# Altium PCB DRS4-PCB.PcbDoc (part 7 of 15) (continued)
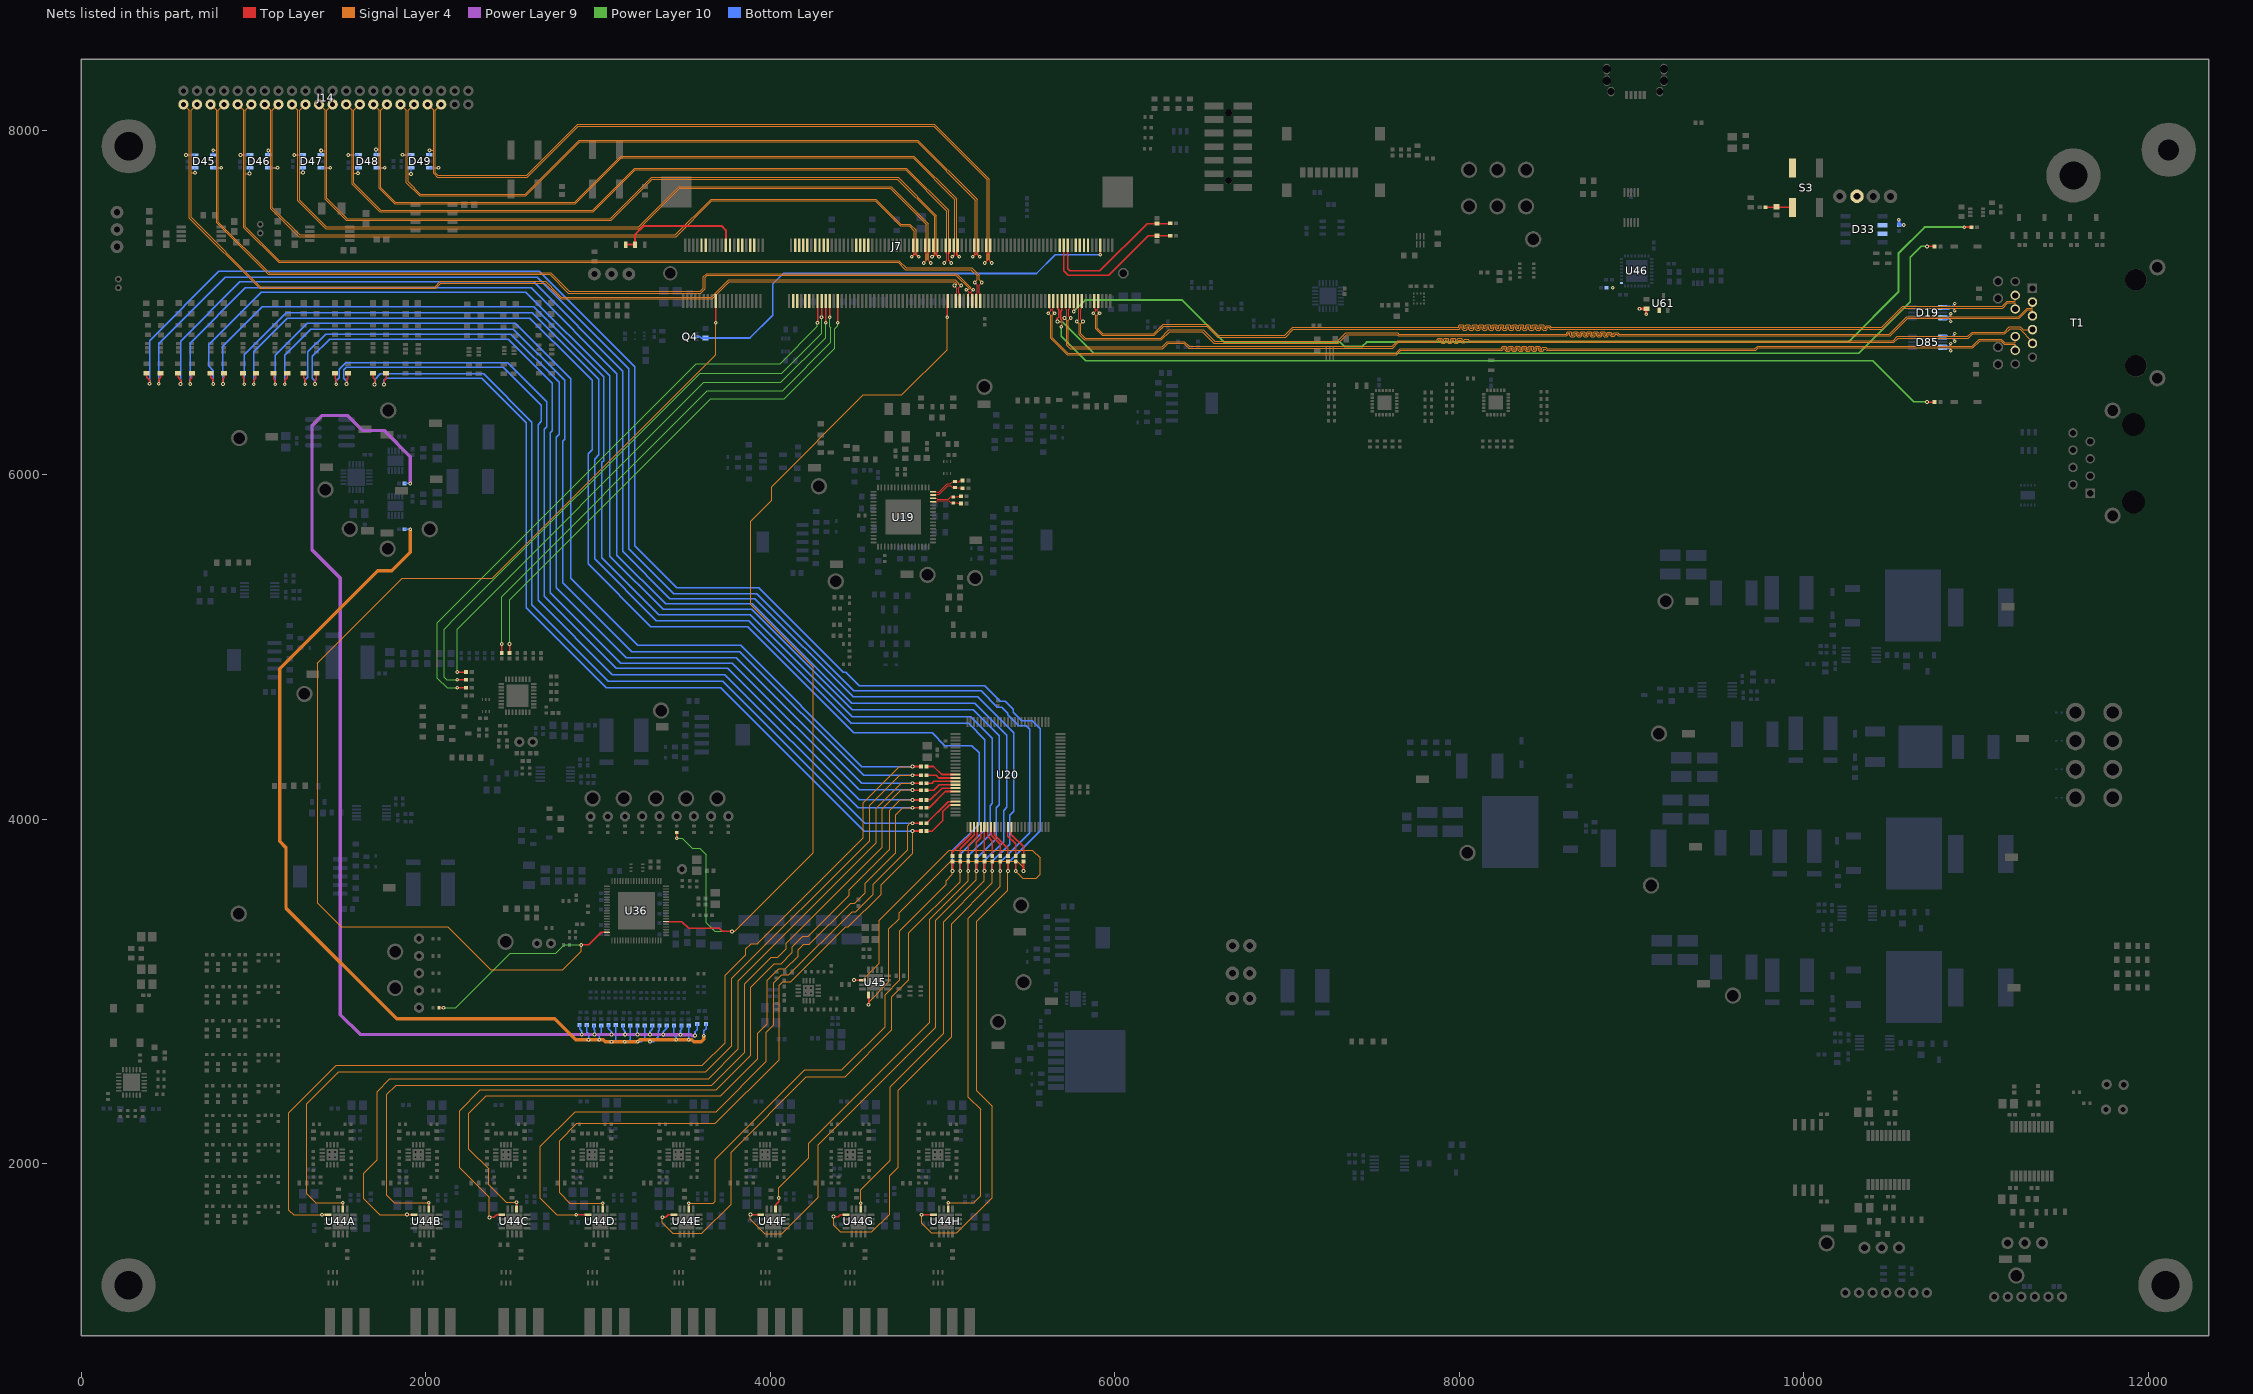
[diagram p17: the nets of this part, all layers, seen from the top]
## Nets (pads, with @x,y where several pads share a name; then routed paths per layer and width w, separated by ;. In a path a pad name is that pad's centre, name@x,y a point inside that pad or via, vN(x,y) a via of type N, cw(c..) or ccw(c..) an arc to the next point about the centre after c; other vN are vias at no path point) (continued)
  Bottom Layer w6.73: D47.4@1284.86,7781.73 1286.08,7780.52 v1(1286.08,7754.4)
GPIO4_P: D47.6 J7.108 J14.17 | length 4883.7
  Top Layer w5: v1(4890.76,7229.53) 4906.08,7244.85 4906.08,7282.29 4899.27,7289.1 J7.108@4899.25,7331.12
  Signal Layer 4 w3.66: J14.17@1222.48,8149.61 1256.85,8115.24 1256.85,7589.6 1418.39,7428.06 1422.53,7428.06 3239.1,7428.06 3473.47,7662.43 4696.67,7662.43 4905.94,7453.17 4905.94,7244.7 v1(4890.76,7229.53) ; v1@1236.26,7855.98 1256.71,7855.98
  Bottom Layer w6.73: v1(1236.26,7856.54) D47.6@1284.86,7856.54
GPIO5_N: D47.3 J7.114 J14.23 | length 4732.9
  Top Layer w5: J7.114@4970.11,7331.12 4970.13,7289.1 4963.32,7282.29 4963.32,7275.29 4972.85,7265.75 v1(4978.35,7265.75)
  Signal Layer 4 w3.66: 1424.47,7781.52 v1@1443.28,7781.52 ; J14.23@1458.7,8149.61 1424.33,8115.24 1424.33,7604.21 1542.4,7486.14 3070.59,7486.14 3309.93,7725.48 4741.95,7725.48 4963.17,7504.26 4963.17,7280.93 v1(4978.35,7265.75)
  Bottom Layer w6.73: D47.3@1391.16,7781.72 v1(1444.66,7781.72)
GPIO5_P: D47.1 J7.112 J14.21 | length 4705.1
  Top Layer w5: v1(4937.99,7265.75) 4943.78,7265.75 4953.32,7275.29 4953.32,7282.29 4946.51,7289.1 J7.112@4946.49,7331.12
  Signal Layer 4 w3.66: J14.21@1379.96,8149.61 1414.33,8115.24 1414.33,7600.07 1538.26,7476.14 3074.73,7476.14 3314.07,7715.48 4737.81,7715.48 4953.17,7500.11 4953.17,7280.93 v1(4937.99,7265.75) ; v1@1395.37,7881.62 1414.19,7881.62
  Bottom Layer w6.73: D47.1@1391.16,7856.52 1391.72,7857.09 v1(1391.72,7881.76)
GPIO6_N: D48.4 J7.120 J14.27 | length 4671.9
  Top Layer w5: J7.120@5040.97,7331.12 5040.99,7289.1 5034.18,7282.29 5034.18,7244.56 v1(5049.21,7229.53)
  Signal Layer 4 w3.66: 1581.95,7749.59 v1@1606.48,7749.59 ; J14.27@1616.18,8149.61 1581.81,8115.24 1581.81,7690.53 1737.1,7535.24 2967.63,7535.24 3212.19,7779.79 4788.97,7779.79 5034.04,7534.72 5034.04,7244.7 v1(5049.21,7229.53)
  Bottom Layer w6.73: v1(1606.48,7749.79) 1606.48,7779.61 D48.4@1608.4,7781.54
GPIO6_P: D48.6 J7.118 J14.25 | length 4693
  Top Layer w5: v1(5008.86,7229.53) 5024.18,7244.85 5024.18,7282.29 5017.37,7289.1 J7.118@5017.35,7331.12
  Signal Layer 4 w3.66: J14.25@1537.44,8149.61 1571.81,8115.24 1571.81,7686.39 1730.03,7528.17 1732.96,7525.24 2971.78,7525.24 3216.33,7769.79 4784.82,7769.79 5024.04,7530.58 5024.04,7244.7 v1(5008.86,7229.53) ; v1@1552.85,7857.24 1571.67,7857.24
  Bottom Layer w6.73: v1(1549.13,7856.34) D48.6@1608.4,7856.34
GPIO7_N: D48.3 J7.124 J14.31 | length 4574.2
  Top Layer w5: J7.124@5088.21,7331.12 5088.23,7289.1 5081.42,7282.29 5081.42,7274.17 5089.83,7265.75 v1(5096.65,7265.75)
  Signal Layer 4 w3.66: 1739.43,7781.65 v1@1760.43,7781.65 ; J14.31@1773.66,8149.61 1739.29,8115.24 1739.29,7927.62 1739.29,7667.11 1823.38,7583.02 2863.78,7583.02 3130.39,7849.63 4833.18,7849.63 5081.48,7601.34 5081.48,7280.93 v1(5096.65,7265.75)
  Bottom Layer w6.73: D48.3@1714.7,7781.54 1714.78,7781.46 1760.35,7781.46 v1(1760.43,7781.38)
GPIO7_P: D48.1 J7.122 J14.29 | length 4559.8
  Top Layer w5: v1(5056.3,7265.75) 5063,7265.75 5071.42,7274.17 5071.42,7282.29 5064.61,7289.1 J7.122@5064.59,7331.12
  Signal Layer 4 w3.66: J14.29@1694.92,8149.61 1729.29,8115.24 1729.29,7923.48 1729.29,7662.97 1816.31,7575.95 1819.24,7573.02 2867.92,7573.02 3134.53,7839.63 4829.04,7839.63 5071.48,7597.19 5071.48,7280.93 v1(5056.3,7265.75) ; v1@1710.33,7888.21 1729.15,7888.21
  Bottom Layer w6.73: v1(1710.54,7888.35) 1710.54,7860.5 D48.1@1714.7,7856.34
GPIO8_N: D49.4 J7.134 J14.35 | length 4540
  Top Layer w5: J7.134@5206.31,7331.12 5206.33,7289.1 5199.52,7282.29 5199.52,7276.6 5210.37,7265.75 v1(5214.75,7265.75)
  Signal Layer 4 w3.66: 1896.91,7745.73 v1@1915.72,7745.73 ; J14.35@1931.14,8149.61 1896.77,8115.24 1896.77,7913.67 1896.77,7700.07 1968.55,7628.3 2365.45,7628.3 2576.35,7628.3 2890.52,7942.47 4855.69,7942.47 5199.58,7598.58 5199.58,7280.93 v1(5214.75,7265.75)
  Bottom Layer w6.73: D49.4@1913.23,7781.54 1913.69,7781.07 v1(1913.69,7745.59)
GPIO8_P: D49.6 J7.132 J14.33 | length 4556
  Top Layer w5: v1(5174.4,7265.75) 5178.66,7265.75 5189.52,7276.6 5189.52,7282.29 5182.71,7289.1 J7.132@5182.69,7331.12
  Signal Layer 4 w3.66: J14.33@1852.4,8149.61 1886.77,8115.24 1886.77,7909.52 1886.77,7695.93 1961.48,7621.22 1964.4,7618.3 2361.31,7618.3 2580.49,7618.3 2894.66,7932.47 4851.55,7932.47 5189.58,7594.44 5189.58,7280.93 v1(5174.4,7265.75) ; v1@1864.63,7857.1 1886.63,7857.1
  Bottom Layer w6.73: v1(1864.63,7857.38) 1865.15,7856.86 1912.71,7856.86 D49.6@1913.23,7856.34
GPIO9_N: D49.3 J7.140 J14.39 | length 4563.3
  Top Layer w5: J7.140@5277.17,7331.12 5277.19,7289.1 5270.38,7282.29 5270.38,7244.59 v1(5285.43,7229.53)
  Signal Layer 4 w3.66: 2054.39,7782.7 v1@2073.2,7782.7 ; J14.39@2088.62,8149.61 2054.25,8115.24 2054.25,7940.17 2054.25,7753.6 2070.09,7737.75 2585.09,7737.75 2881.56,8034.22 4951.51,8034.22 4954.44,8031.29 5270.26,7715.48 5270.26,7244.7 v1(5285.43,7229.53)
  Bottom Layer w6.73: D49.3@2019.53,7781.54 2020.04,7782.05 2072.52,7782.05 v1(2073.03,7782.56)
GPIO9_P: D49.1 J7.138 J14.37 | length 4541.6
  Top Layer w5: v1(5245.08,7229.53) 5260.38,7244.82 5260.38,7282.29 5253.57,7289.1 J7.138@5253.55,7331.12
  Signal Layer 4 w3.66: J14.37@2009.88,8149.61 2044.25,8115.24 2044.25,7936.03 2044.25,7749.45 2065.95,7727.75 2589.23,7727.75 2885.7,8024.22 4947.37,8024.22 5260.26,7711.33 5260.26,7244.7 v1(5245.08,7229.53) ; v1@2021.13,7883.6 2044.11,7883.6
  Bottom Layer w6.73: D49.1@2019.53,7856.34 2021.13,7857.94 v1(2021.13,7883.73)
HMC849:EN0: R79.2 R281.2 U44A.5 | length 11432.1
  Top Layer w7.87: R281.2@1115.32,6589.45 1115.32,6556.8 1125.32,6546.8 v1(1125.32,6525.66) ; v1(1396.89,1703.63) U44A.5@1432.27,1703.63
  Top Layer w10: v1(4825.28,4305.57) R79.2@4875.38,4305.57
  Signal Layer 4 w6.12: v1(1396.89,1703.63) 1232.02,1703.63 1204.58,1731.06 1204.58,2296.84 1478.44,2570.7 3605.77,2570.7 3737.98,2702.9 3737.98,3093.95 3857.97,3213.94 3857.97,3247.09 3887.51,3276.64 3923.8,3276.64 4539.5,3892.34 4539.5,4096.13 4748.95,4305.57 v1(4825.28,4305.57)
  Bottom Layer w7.87: v1(1125.32,6525.66) 1125.32,6693.97 1310.35,6879 2517.6,6879 2840,6556.6 2840,5399.52 3230.56,5008.96 3828.31,5008.96 4531.7,4305.57 v1(4825.28,4305.57)
HMC849:EN1: R82.2 R282.2 U44B.5 | length 10846.8
  Top Layer w7.87: R282.2@1289.66,6589.45 1289.66,6562.29 1300.29,6551.66 v1(1300.32,6525.66) v1(1300.32,6525.66) ; v1(1889.98,1704.82) 1896.06,1704.82 v1@1897.56,1703.32 ; v1@1900.64,1703.32 1901.18,1703.86 U44B.5@1931.01,1703.86
  Top Layer w10: v1@4823.04,4209.28 R82.2@4873.15,4209.28
  Signal Layer 4 w6.12: v1(1889.98,1704.82) 1732.96,1704.82 1639.97,1797.81 1639.97,1945.15 1716.47,2021.65 1716.47,2418.92 1791.03,2493.48 3641.62,2493.48 3814.2,2666.06 3814.2,3061.99 4614.36,3862.14 4614.36,4063.59 4760.05,4209.29 v1(4825.28,4209.29)
  Bottom Layer w7.87: v1(1300.32,6525.66) 1300.32,6551.7 1314.8,6566.18 1314.8,6712.46 1418.57,6816.22 2493.92,6816.22 2773.89,6536.25 2773.89,6233.84 2757.75,6217.7 2757.75,5342.73 3162.72,4937.76 3802.81,4937.76 4531.28,4209.29 v1(4825.28,4209.29)
HMC849:EN2: R84.2 R283.2 U44C.5 | length 9833.6
  Top Layer w7.87: R283.2@1472.68,6589.45 1472.68,6559.56 1479.82,6552.41 v1(1479.82,6525.66) ; v1@2372.35,1688.05 2394.79,1688.05 2410.6,1703.86 U44C.5@2440.46,1703.86
  Top Layer w10: v1@4823.04,4112.06 R84.2@4873.15,4112.06
  Signal Layer 4 w6.12: v1(2369.26,1688.02) 2369.26,1805.08 2196.81,1977.53 2196.81,2307.93 2316.92,2428.04 3686.33,2428.04 3886.78,2628.49 3886.78,3025.72 4022.64,3161.57 4061.9,3161.57 4126.95,3226.62 4126.95,3260.14 4186.38,3319.57 4219.59,3319.57 4457.53,3557.51 4457.53,3590.72 4693.3,3826.48 4693.3,4050.97 4754.37,4112.05 v1(4825.28,4112.05)
  Bottom Layer w7.87: v1(1479.82,6525.66) 1479.82,6545.12 1496.39,6561.68 1496.39,6611.14 1535.25,6650 2474.16,6650 2701.28,6422.88 2701.28,6279.69 2686.26,6264.67 2686.26,5292.99 3103.85,4875.4 3753.71,4875.4 4517.06,4112.05 v1(4825.28,4112.05)
HMC849:EN3: R86.2 R284.2 U44D.5 | length 8906.4
  Top Layer w7.87: R284.2@1693.67,6589.45 1693.67,6562.51 1702.81,6553.37 1702.81,6524.06 v1(1701.78,6523.03) ; v1(2872.55,1704.35) 2948.91,1704.35 U44D.5@2949.39,1703.86
  Top Layer w10: v1@4823.04,3976.2 R86.2@4873.15,3976.2
  Signal Layer 4 w6.12: v1(2872.55,1704.35) 2760.84,1704.35 2665.29,1799.9 2665.29,2100.23 2867.82,2302.77 3684.25,2302.77 3977.36,2595.87 3977.36,2762.32 4020.34,2805.3 4020.34,3050.31 4065.84,3095.82 4107.97,3095.82 4476.17,3464.02 4495.56,3464.02 4596.25,3564.71 4596.25,3621.58 4796.13,3821.46 4796.13,3962.77 4809.58,3976.22 v1(4825.28,3976.22)
  Bottom Layer w7.87: v1(1701.78,6523.03) 1701.78,6552.64 1734.14,6585 2335.09,6585 2615.74,6304.35 2615.74,5245.69 3060,4801.43 3722.1,4801.43 4547.3,3976.22 v1(4825.28,3976.22)
HMC849:EN4: R88.2 R297.2 U44E.5 | length 10402.7
  Top Layer w7.87: R297.2@938.58,6589.45 938.58,6562.64 945.42,6555.8 945.42,6525.75 v1(945.32,6525.66) ; v1(3373.09,1688.85) 3391.33,1688.85 3406.34,1703.86 U44E.5@3440.46,1703.86
  Top Layer w9.84: v1(5102.32,3698.9) R88.2@5102.32,3753.78
  Signal Layer 4 w6.12: v1(3373.09,1688.85) 3373.09,1656.51 3433.62,1595.98 3602.37,1595.98 3771.3,1764.91 3771.3,2067.89 4208.95,2505.54 4434.44,2505.54 4705.25,2776.35 4705.25,2969.3 4803.63,3067.68 4803.63,3339.62 5102.32,3638.31 v1(5102.32,3698.9)
  Bottom Layer w7.87: v1(945.32,6525.66) 945.32,6695.57 1189.75,6940 2617.6,6940 3004,6553.6 3004,6115.09 2979.16,6090.25 2979.16,5511.39 3338.55,5152 3873,5152 4469.33,4555.67 5150.86,4555.67 5244.73,4461.8 5244.73,3938.28 5102.32,3795.87 v1(5102.32,3698.9)
HMC849:EN5: R90.2 R298.2 U44F.5 | length 10479.2
  Top Layer w7.87: R298.2@750.52,6589.45 750.52,6565.55 766.32,6549.76 v1(766.32,6526.04) ; v1@3884.34,1703.86 U44F.5@3944.16,1703.86
  Top Layer w9.84: v1(5196.1,3698.9) R90.2@5196.1,3753.78
  Signal Layer 4 w6.12: v1(3884.34,1704.66) 3884.34,1676.28 3967.94,1592.68 4067.09,1592.68 4279.17,1804.76 4279.17,2108.79 4961.3,2790.92 4961.3,3414.53 5196.1,3649.33 v1(5196.1,3698.9)
  Bottom Layer w7.87: v1(766.32,6526.04) 766.32,6603.67 738.76,6631.23 738.76,6753.31 1045.45,7060 2581.06,7060 3067.52,6573.54 3067.52,5527.91 3377.43,5218 3891.93,5218 4474.28,4635.66 5177.34,4635.66 5328.1,4484.89 5328.1,4082.48 5310.87,4065.24 5310.87,3885.07 5196.1,3770.3 v1(5196.1,3698.9)
HMC849:EN6: R92.2 R299.2 U44G.5 | length 10653.5
  Top Layer w7.87: R299.2@560.96,6589.45 560.96,6564.58 576.03,6549.5 v1(576.03,6526.04) ; v1(4366.63,1693.23) 4394.73,1693.23 4405.36,1703.86 U44G.5@4438.68,1703.86
  Top Layer w9.84: v1(5288.66,3698.9) R92.2@5288.66,3753.78
  Signal Layer 4 w6.12: v1(4366.63,1693.23) 4366.63,1642.31 4404.26,1604.68 4589.65,1604.68 4692.05,1707.08 4692.05,1929.61 4741.33,1978.89 4741.33,2426.21 5051.69,2736.57 5051.69,3393.37 5288.66,3630.34 v1(5288.66,3698.9)
  Bottom Layer w7.87: v1(576.03,6526.04) 576.03,6775.08 919.95,7119 2625.27,7119 3142.66,6601.61 3142.66,5554.87 3416.6,5280.93 3909.99,5280.93 4480.61,4710.31 5203.2,4710.31 5412.84,4500.66 5412.84,4046.63 5388.53,4022.31 5388.53,3854.76 5288.66,3754.89 v1(5288.66,3698.9)
HMC849:EN7: R94.2 R300.2 U44H.5 | length 10980.7
  Top Layer w7.87: R300.2@378.64,6589.45 378.64,6564.89 395.54,6547.99 v1(395.54,6527.3) ; v1(4877.52,1704.13) 4944.83,1704.13 U44H.5@4945.38,1704.68
  Top Layer w9.84: v1(5379.21,3698.9) R94.2@5379.21,3753.78
  Top Layer w10: U44H.5@4945.38,1704.68 U44H.5@4946.2,1703.86
  Signal Layer 4 w6.12: v1(4877.52,1704.13) 4877.52,1654.08 4932.51,1599.09 5083.2,1599.09 5287.53,1803.43 5287.53,2333.05 5198.11,2422.47 5198.11,3406.97 5379.21,3588.07 v1(5379.21,3698.9)
  Bottom Layer w7.87: v1(395.54,6527.3) 395.54,6777.31 798.24,7180 2659.34,7180 3212.89,6626.44 3212.89,5586.43 3457.02,5342.31 3933.69,5342.31 4423.92,4852.08 4438.58,4852.08 4515.66,4775 5243.7,4775 5333.49,4685.22 5364.28,4685.22 5410.91,4638.59 5410.91,4620.77 5460.13,4571.55 5521.62,4571.55 5567.23,4525.95 5567.23,3933.23 5379.21,3745.22 v1(5379.21,3698.9)
HMC849:EN8: R96.2 U45.5 | length 1598.4
  Top Layer w7.87: v1@4570.04,2922.67 U45.5@4570.04,2979.82
  Top Layer w9.84: v1(5469.8,3698.9) R96.2@5469.8,3753.78
  Signal Layer 4 w6.12: v1(4569.79,2922.67) 4569.79,2938.41 4687.98,3056.61 4687.98,3362.61 4748.54,3423.17 4748.54,3455.74 5047.7,3754.91 5432.29,3754.91 5469.8,3717.4 v1(5469.8,3698.9)
HMC849:VCTL0: R81.2 R285.1 U44A.2 | length 11212.4
  Top Layer w7.87: v1(1180.6,6525.66) 1180.6,6549.23 1194.95,6563.58 R285.1@1194.95,6589.4 ; U44A.2@1517.25,1738.38 v1(1517.25,1773.62)
  Top Layer w10: v1@4823.04,4254.56 R81.2@4873.15,4254.56
  Signal Layer 4 w6.12: v1(1517.25,1773.62) 1361.66,1773.62 1308.62,1826.66 1308.62,2346.83 1494.27,2532.48 3624,2532.48 3776.99,2685.46 3776.99,3075.29 4577.67,3875.97 4577.67,4082.4 4749.83,4254.56 v1(4825.28,4254.56)
  Bottom Layer w7.87: v1(1180.6,6525.66) 1180.6,6693.12 1332.48,6845 2507.61,6845 2805.72,6546.88 2805.72,6206.38 2794.89,6195.54 2794.89,5373.93 3196.01,4972.81 3823.22,4972.81 4541.47,4254.56 v1(4825.28,4254.56)
HMC849:VCTL1: R83.2 R286.1 U44B.2 | length 10672.1
  Top Layer w7.87: v1(1355.6,6526.06) 1357.2,6527.66 1357.2,6547.86 1364.46,6555.11 R286.1@1364.46,6589.45 ; U44B.2@2016.73,1738.42 v1(2016.73,1773.64)
  Top Layer w10: v1@4823.04,4168.62 R83.2@4873.15,4168.62
  Signal Layer 4 w6.12: v1(2016.73,1773.64) 1816.73,1773.64 1772.76,1817.61 1772.76,2401.97 1827.18,2456.39 3658.99,2456.39 3850.77,2648.17 3850.77,3045.11 4005.44,3199.78 4043.81,3199.78 4091.55,3247.52 4091.55,3279.43 4649.7,3837.58 4649.7,4059.3 4760.26,4169.86 v1(4825.28,4169.86)
  Bottom Layer w7.87: v1(1355.6,6526.06) 1355.6,6544.03 1340.15,6559.48 1340.15,6686.73 1441.12,6787.69 2477.16,6787.69 2734.87,6529.97 2734.87,6254.98 2722.48,6242.59 2722.48,5315.6 3132.41,4905.67 3779.88,4905.67 4515.69,4169.86 v1(4825.28,4169.86)
HMC849:VCTL2: R85.2 R287.1 U44C.2 | length 9697.4
  Top Layer w7.87: v1(1539.73,6526.06) 1541.68,6528.01 1541.68,6552.77 1547.48,6558.57 R287.1@1547.48,6589.45 ; U44C.2@2526.21,1738.59 v1(2526.21,1776.41)
  Top Layer w10: U44C.2@2526.21,1738.59 U44C.2@2526.39,1738.4 ; v1@4823.04,4066.77 R85.2@4873.15,4066.77
  Signal Layer 4 w6.12: v1(2526.21,1776.41) 2465.75,1776.41 2364.36,1877.79 2364.36,1970.11 2249.23,2085.24 2249.23,2292.78 2351.69,2395.24 3712.94,2395.24 3928.03,2610.33 3928.03,2758.56 3983.05,2813.58 3983.05,3065.17 4049.19,3131.31 4087.57,3131.31 4160.31,3204.05 4160.31,3242.43 4192.5,3274.63 4226.64,3274.63 4465.1,3513.09 4491.08,3513.09 4551.22,3573.23 4551.22,3627.09 4728.4,3804.28 4728.4,4027.12 4768.06,4066.77 v1(4825.28,4066.77)
  Bottom Layer w7.87: v1(1539.73,6526.06) 1539.73,6542.46 1523.32,6558.87 1523.32,6608.51 1538.62,6623.81 2449.48,6623.81 2670,6403.29 2670,6309.43 2651.2,6290.62 2651.2,5271.18 3082.62,4839.76 3736.23,4839.76 4509.21,4066.77 v1(4825.28,4066.77)
HMC849:VCTL3: R87.2 R288.1 U44D.2 | length 8701
  Top Layer w7.87: v1(1757.06,6523.03) 1757.06,6547.45 1768.47,6558.86 R288.1@1768.47,6589.45 ; v1(3026.14,1771.14) 3026.14,1768.08 3026.34,1767.87 U44D.2@3026.34,1738.4
  Top Layer w10: v1@4823.04,3930.92 R87.2@4873.15,3930.92
  Signal Layer 4 w6.12: v1(3026.14,1771.14) 2835.82,1771.14 2776.39,1830.56 2776.39,2133.17 2876.93,2233.72 3680.79,2233.72 4051.31,2604.24 4051.31,3035.18 4071.87,3055.74 4119.37,3055.74 4437.83,3374.2 4451.28,3374.2 4642.65,3565.57 4642.65,3619.13 4825.28,3801.76 v1(4825.28,3930.91)
  Bottom Layer w7.87: v1(1757.06,6523.03) 1756.68,6523.4 1756.68,6547.7 1769.36,6560.37 2324.15,6560.37 2582.06,6302.47 2582.06,5228.44 3048.24,4762.25 3712.11,4762.25 4543.46,3930.91 v1(4825.28,3930.91)
HMC849:VCTL4: R89.2 R301.1 U44E.2 | length 9861.6
  Top Layer w7.87: v1(1000.6,6525.66) 1000.6,6547.02 1013.39,6559.81 R301.1@1013.39,6589.45 ; U44E.2@3526.18,1738.4 v1(3526.18,1770.32)
  Top Layer w9.84: v1(5057.05,3698.9) R89.2@5057.05,3753.78
  Signal Layer 4 w6.12: v1@3525,1770.32 v1(3526.18,1770.32) 3667.68,1770.32 3680.03,1782.67 3680.03,2026.08 4199.09,2545.14 4415.66,2545.14 4665.83,2795.3 4665.83,2980.98 4751.77,3066.92 4751.77,3353.19 5020.91,3622.33 5020.91,3643.24 5057.05,3679.38 v1(5057.05,3698.9)
  Bottom Layer w7.87: v1(1000.6,6525.66) 1000.6,6713.25 1196.35,6909 2603.6,6909 2881.54,6631.06 2965,6547.6 2965,6144.05 2942.16,6121.21 2942.16,5481.75 3306.66,5117.25 3867.74,5117.25 4483.07,4501.92 4938.59,4501.93 5013.4,4427.12 5170.18,4427.12 5211.26,4386.03 5211.26,3970.19 5057.05,3815.97 v1(5057.05,3698.9)
HMC849:VCTL5: R91.2 R302.1 U44F.2 | length 9822.5
  Top Layer w7.87: v1(821.59,6526.04) 821.59,6556.98 828.82,6564.21 R302.1@828.82,6589.45 ; U44F.2@4029.88,1738.4 4029.88,1760.81 4048.6,1779.53 v1(4048.6,1801.45)
  Top Layer w9.84: v1(5148.03,3698.9) R91.2@5148.03,3753.78
  Signal Layer 4 w6.12: v1(4048.6,1801.45) 4048.6,1861.07 4221.8,2034.27 4221.8,2120.15 4924.13,2822.48 4924.13,3417.8 5148.03,3641.69 v1(5148.03,3698.9)
  Bottom Layer w7.87: v1(821.59,6526.04) 821.59,6745.61 1049.98,6974 2625.8,6974 2974.17,6625.63 3032,6567.8 3032,6081.28 3022.09,6071.37 3022.09,5516.62 3351.72,5187 3883,5187 4474.1,4595.9 5162.81,4595.9 5288.62,4470.09 5288.62,4092.74 5274.95,4079.07 5274.95,3913.7 5147.91,3786.67 v1@5147.91,3698.9
HMC849:VCTL6: R93.2 R303.1 U44G.2 | length 10026.8
  Top Layer w7.87: v1(631.31,6526.04) 631.31,6552.88 641.71,6563.28 R303.1@641.71,6589.45 ; U44G.2@4524.41,1738.4 v1(4524.41,1770.32)
  Top Layer w9.84: v1(5242.95,3698.9) R93.2@5242.95,3753.78
  Signal Layer 4 w6.12: v1(4524.41,1770.32) 4524.41,1848.97 4695.62,2020.18 4695.62,2447.41 5006.89,2758.68 5006.89,3405.32 5242.95,3641.38 v1(5242.95,3698.9)
  Bottom Layer w7.87: v1(631.31,6526.04) 631.31,6762.85 952.45,7084 2611.74,7084 3109.12,6586.62 3109.12,5533.77 3392.67,5250.22 3894.78,5250.22 4473.25,4671.75 5187.79,4671.75 5373.48,4486.06 5373.48,4068.05 5354.57,4049.14 5354.57,3870.45 5242.95,3758.82 v1(5242.95,3698.9)
HMC849:VCTL7: R95.2 R304.1 U44H.2 | length 10393.4
  Top Layer w7.87: v1(448.83,6528.55) 448.83,6554.74 459.86,6565.77 R304.1@459.86,6589.45 ; U44H.2@5031.93,1736.28 v1@5031.93,1768.19
  Top Layer w9.84: v1(5333.94,3698.9) R95.2@5333.94,3753.78
  Signal Layer 4 w6.12: v1@5032.58,1774.71 5181.01,1774.71 5220.23,1813.93 5220.23,2315.04 5149.17,2386.09 5149.17,3424.76 5333.94,3609.52 v1(5333.94,3698.9)
  Bottom Layer w7.87: v1(448.83,6528.55) 448.83,6759.04 834.8,7145 2646.81,7145 3176.29,6615.52 3176.29,5571.28 3438.16,5309.41 3920.59,5309.41 4484.88,4745.12 5222.86,4745.12 5317.55,4650.44 5344.03,4650.44 5379.38,4615.09 5379.38,4606.14 5442.48,4543.04 5486.58,4543.04 5506.07,4523.55 5506.07,3922.66 5333.94,3750.53 v1(5333.94,3698.9)
  other v1: 5032.58,1772.58
HMC849:VCTL8: R97.2 U45.2 | length 1925.8
  Top Layer w7.87: v1(4485.57,3065.94) 4485.97,3065.54 U45.2@4534.65,3065.54 U45.2@4535.5,3065.54
  Top Layer w9.84: v1(5424.49,3698.9) R97.2@5424.49,3753.78
  Signal Layer 4 w6.12: v1(4485.57,3065.94) 4531.24,3065.94 4532.18,3065 4631.68,3164.5 4631.68,3412.01 5039.55,3819.88 5521.58,3819.88 5566.29,3775.17 5566.29,3679.81 5544,3657.52 5465.86,3657.52 v1(5424.49,3698.9)
HMC849_EN0: R79.1 U20.38 | length 187
  Top Layer w10: R79.1@4906.61,4306.14 4947.24,4306.14 4994.25,4259.13 U20.38@5074.09,4259.13
HMC849_EN1: R82.1 U20.40 | length 171.8
  Top Layer w9.84: R82.1@4906.61,4209.28 4938.66,4209.28 4949.14,4219.76 U20.40@5074.09,4219.76
HMC849_EN2: R84.1 U20.42 | length 195.8
  Top Layer w9.84: R84.1@4906.61,4112.06 4927.88,4112.06 4996.21,4180.39 U20.42@5074.09,4180.39
HMC849_EN3: R86.1 U20.46 | length 219.4
  Top Layer w9.84: R86.1@4906.61,3976.2 5032.06,4101.65 U20.46@5074.09,4101.65
HMC849_EN4: R88.1 U20.53 | length 199.9
  Top Layer w7.87: R88.1@5102.34,3787.24 5102.34,3829.6 5182.36,3909.62 U20.53@5182.36,3954.01
HMC849_EN5: R90.1 U20.55 | length 177.4
  Top Layer w7.87: R90.1@5196.12,3787.24 5196.12,3865.62 5221.73,3891.23 U20.55@5221.73,3954.01
HMC849_EN6: R92.1 U20.57 | length 178.2
  Top Layer w7.87: U20.57@5261.1,3954.01 5261.1,3900.68 5288.65,3873.14 R92.1@5288.65,3787.24
HMC849_EN7: R94.1 U20.59 | length 199.4
  Top Layer w7.87: U20.59@5300.47,3954.01 5300.47,3910.15 5379.22,3831.4 R94.1@5379.22,3787.24
HMC849_EN8: R96.1 U20.64 | length 196.1
  Top Layer w7.87: U20.64@5398.9,3954.01 5398.9,3910.62 5469.79,3839.73 R96.1@5469.79,3787.24
HMC849_VCTL0: R81.1 U20.39 | length 173.7
  Top Layer w9.84: R81.1@4906.61,4254.56 4963.01,4254.56 4978.13,4239.44 U20.39@5074.09,4239.44
HMC849_VCTL1: R83.1 U20.41 | length 180.5
  Top Layer w9.84: R83.1@4906.61,4168.62 4949.17,4168.62 4980.62,4200.07 U20.41@5074.09,4200.07
HMC849_VCTL2: R85.1 U20.43 | length 206.4
  Top Layer w9.84: R85.1@4906.61,4066.77 4921.69,4066.77 5015.63,4160.7 U20.43@5074.09,4160.7
HMC849_VCTL3: R87.1 U20.47 | length 260.3
  Top Layer w9.84: R87.1@4906.61,3930.92 4938.59,3930.92 5000.4,3992.73 5000.4,4044.4 5037.97,4081.96 U20.47@5074.09,4081.96
HMC849_VCTL4: R89.1 U20.52 | length 210.5
  Top Layer w7.87: R89.1@5057.05,3787.24 5057.05,3808.09 5162.68,3913.71 U20.52@5162.68,3954.01
HMC849_VCTL5: R91.1 U20.54 | length 189.1
  Top Layer w7.87: R91.1@5148.02,3787.24 5148.02,3845.46 5202.05,3899.49 U20.54@5202.05,3954.01
HMC849_VCTL6: R93.1 U20.56 | length 167.4
  Top Layer w7.87: U20.56@5241.42,3954.01 5241.42,3838.01 5242.94,3836.49 R93.1@5242.94,3787.24
HMC849_VCTL7: R95.1 U20.58 | length 188.8
  Top Layer w7.87: U20.58@5280.79,3954.01 5280.79,3906.38 5333.93,3853.24 R95.1@5333.93,3787.24
HMC849_VCTL8: R97.1 U20.63 | length 185.5
  Top Layer w7.87: U20.63@5379.21,3954.01 5379.21,3902.24 5424.5,3856.95 R97.1@5424.5,3787.24
I2C_INT#: J7.174
I2C_SCL: D44.1 J7.178 R220.2 | length 849.3
  Top Layer w7.87: J7.178@5725.95,7331.12 5725.97,7196.31 5738.66,7183.62 5913.27,7183.62 6187.92,7458.27 D44.1@6244.01,7458.27 R220.2@6321.45,7458.27
I2C_SDA: D43.1 J7.176 R219.2 | length 916.3
  Top Layer w7.87: J7.176@5702.33,7331.12 5702.35,7183.62 5728.37,7157.59 5964.01,7157.59 6193.15,7386.73 6200.02,7386.73 ; R219.2@6321.45,7386.74 D43.1@6244.01,7386.73 ; 6200.02,7386.73 D43.1@6244.01,7386.73 ; 6200.02,7386.74 D43.1@6244.01,7386.73
I\N\\_\O\F\S\A: L3A.1 L3B.1 L3C.1 L3D.1 L3E.1 L3F.1 L3G.1 L3H.1 L5.1 R271.2 | length 6306.8
  Signal Layer 4 w19.68: v1(1908.98,5683.58) 1908.98,5549.19 1801.96,5442.18 1719.79,5442.18 1151.36,4873.75 1151.36,3871.61 1187.92,3835.05 1187.92,3484.34 1831.56,2840.7 2748.82,2840.7 2870.58,2718.94 v1(2944.22,2718.94) v1(3006.41,2718.94) 3007.37,2719.89 3028.93,2719.89 3040.49,2708.33 v1(3078.05,2708.33) v1(3155.09,2708.33) v1(3230.59,2708.33) 3241.62,2719.37 v1(3453.87,2719.37) v1(3525.71,2719.37) 3542.43,2719.37 3554.54,2707.26 3598.58,2707.26 3613.3,2721.99 v1(3613.3,2742.21)
  Bottom Layer w7.87: L3A.1@2933.69,2806.24 2933.69,2763.81 2944.22,2753.28 v1(2944.22,2718.94) ; v1(3006.41,2718.94) 3006.41,2745.82 3017.89,2757.29 L3B.1@3017.89,2803.75 ; v1(3078.05,2708.33) 3094.75,2708.33 3101.99,2715.58 L3C.1@3101.99,2804.2 ; v1(3155.09,2708.33) 3175.77,2708.33 3186.31,2718.87 L3D.1@3186.31,2803.36 ; v1(3230.59,2708.33) 3249.78,2708.33 3270.27,2728.83 L3E.1@3270.27,2803.36 ; v1(3301.58,2708.82) 3321.88,2708.82 3349.62,2736.55 3349.62,2767.89 3355.91,2774.18 L3F.1@3355.91,2802.73 ; L3G.1@3440.24,2802.54 3440.24,2747.79 3453.87,2734.17 v1(3453.87,2719.37) ; v1(3525.71,2719.37) L3H.1@3525.71,2802.32 ; v1(3613.3,2742.21) 3613.3,2771.27 3626.66,2784.63 L5.1@3626.65,2811.34
  Bottom Layer w9.84: R271.2@1876.37,5683.58 v1(1908.98,5683.58)
IN0_N: C88.2 R55.1 U19.64 | length 202.8
  Top Layer w5: U19.64@4944.2,5901.86 4964.42,5901.86 4969.26,5897.02 4977.2,5897.02 5026.35,5946.17 5044.4,5946.17 5058.36,5960.14 R55.1@5071.69,5960.14 5095.25,5960.14 5101.8,5966.68 C88.2@5116.11,5966.68
IN0_P: C86.2 R55.2 U19.63 | length 200.4
  Top Layer w5: U19.63@4944.2,5882.18 4964.42,5882.18 4969.26,5887.02 4981.34,5887.02 5030.5,5936.17 5046.89,5936.17 5058.36,5924.71 R55.2@5071.69,5924.71 5098.49,5924.71 5101.8,5921.4 C86.2@5116.11,5921.4
IN3_N: C87.2 R56.2 U19.62 | length 170.5
  Top Layer w5: U19.62@4944.2,5862.49 4964.42,5862.49 4969.26,5857.65 5033.7,5857.65 5047.5,5871.45 R56.2@5060.83,5871.45 5087.02,5871.45 5091.04,5875.47 C87.2@5105.35,5875.47
IN3_P: C89.2 R56.1 U19.61 | length 169.2
  Top Layer w5: U19.61@4944.2,5842.81 4964.42,5842.81 4969.26,5847.65 5035.87,5847.65 5047.5,5836.02 R56.1@5060.83,5836.02 5088.09,5836.02 5091.04,5833.06 C89.2@5105.35,5833.06
IN+_OFS: L2A.2 L2B.2 L2C.2 L2D.2 L2E.2 L2F.2 L2G.2 L2H.2 L4.2 R272.2 | length 7020.8
  Power Layer 9 w19.68: v1(1908.98,5949.1) 1908.98,6104.65 1756.79,6256.84 1630.14,6256.84 1543.03,6343.95 1397.66,6343.95 1338.82,6285.1 1338.82,5564.53 1502.94,5400.41 1502.94,2865.54 1618.17,2750.32 2030.53,2750.32 2539.74,2750.32 v1(2904.59,2750.32) v1(2979.35,2750.32) v1(3077.77,2750.32) v1(3156.57,2750.32) v1(3227.91,2750.32) v1(3300.61,2750.32) v1(3377.74,2750.32) 3378.64,2749.41 v1(3478.51,2749.41) 3538.51,2749.41 3546.37,2741.56 3558.65,2741.56 v1(3561.96,2744.87)
  Bottom Layer w7.87: R272.2@1876.68,5949.41 v1@1908.67,5949.41 ; L2A.2@2891.94,2806.24 2891.94,2782.24 2904.59,2769.59 v1(2904.59,2750.32) ; v1@3073.7,2754.38 v1(3077.77,2750.32) ; L2D.2@3144.56,2803.36 3144.56,2779.51 3156.57,2767.5 v1(3156.57,2750.32) v1@3157.2,2750.94 ; L2E.2@3227.64,2801.7 3227.64,2768.91 3227.91,2768.64 v1(3227.91,2750.32)
  Bottom Layer w9.84: v1@1908.67,5949.41 v1(1908.98,5949.1) ; L2B.2@2976.14,2803.75 2976.14,2778.08 2980.15,2774.07 2980.15,2751.11 v1(2979.35,2750.32) ; L2C.2@3060.25,2804.2 3060.25,2784.34 3077.77,2766.82 v1(3077.77,2750.32) ; v1(3300.61,2750.32) 3300.61,2767.07 3314.17,2780.63 L2F.2@3314.17,2802.73 ; v1(3377.74,2750.32) 3377.74,2765.34 3398.5,2786.11 L2G.2@3398.5,2802.54 ; v1(3478.51,2749.41) 3478.51,2774.5 3483.99,2779.98 L2H.2@3483.99,2802.32 ; v1(3561.96,2744.87) 3561.96,2764.97 3575.31,2778.31 L4.2@3575.31,2811.34
IO_B34_L1_T10_N: J7.30
IO_B34_L1_T11_P: J7.28
IO_B34_L3_PUDC: J7.22 R43.2 R44.1 | length 758.1
  Top Layer w11.81: R43.2@3160.33,7335.91 R44.1@3213.65,7335.91 3213.65,7393.45 3263.91,7443.72 3717.19,7443.72 3741.88,7419.03 J7.22@3741.86,7331.12
IO_B34_L3_V13_N: J7.24
IO_B34_L4_V12_P: J7.34
IO_B34_L4_W13_N: J7.36
IO_B34_L5_T14_P: J7.54
IO_B34_L5_T15_N: J7.56
IO_B34_L6_P14_P: J7.48
IO_B34_L6_VREF_R14_N: J7.50
IO_B34_L7_Y16_P: J7.59 R143.2 | length 3352.6
  Top Layer w7.87: v1(2181.4,4854.31) R143.2@2232.86,4854.31 ; v1(4320.59,6881.89) 4320.81,6882.1 J7.59@4320.81,7007.79
  Power Layer 10 w6.88: v1(2181.4,4854.31) 2181.4,5102.95 3614.19,6535.73 4060.62,6535.73 4320.59,6795.71 v1(4320.59,6881.89)
IO_B34_L7_Y17_N: J7.61 R142.2 | length 3092
  Top Layer w7.87: R142.2@2440.32,4965.58 v1(2440.32,5017.04) ; v1(4344.41,6913.39) J7.61@4344.43,7007.79
  Power Layer 10 w6.88: v1(2440.32,5017.04) 2440.32,5292.68 3634.45,6486.81 4070.49,6486.81 4351.29,6767.61 4351.29,6851.77 4344.41,6858.65 v1(4344.41,6913.39)
IO_B34_L8_W14_P: J7.44
IO_B34_L8_Y14_N: J7.46
IO_B34_L9_T16_P: J7.58
IO_B34_L9_U17_N: J7.60
IO_B34_L10_V15_P: J7.55 R146.2 | length 3575.8
  Top Layer w7.87: v1(2181.4,4763.74) R146.2@2232.86,4763.74 ; v1@4273.56,6882.1 J7.55@4273.56,7007.79
  Power Layer 10 w6.88: v1(2181.4,4763.74) 2181.16,4763.5 2123.33,4763.5 2067.28,4819.55 2067.28,5140.98 2144.11,5217.81 3569.62,6643.32 4056.3,6643.32 4273.35,6860.37 v1(4273.35,6881.89)
IO_B34_L10_W15_N: J7.57 R145.2 | length 3503
  Top Layer w7.87: v1(2181.4,4809.03) R145.2@2232.86,4809.03 ; v1@4297.19,6913.4 J7.57@4297.19,7007.79
  Power Layer 10 w6.88: v1(2181.4,4809.03) 2121.05,4809.03 2105.77,4824.31 2105.77,5104.1 2175.61,5173.94 3591.7,6590.02 4067.15,6590.02 4296.97,6819.84 v1(4296.97,6913.39)
IO_B34_L11_SRCC_U14_P: J7.10
IO_B34_L11_SRCC_U15_N: J7.12
IO_B34_L13_MRCC_N18_P: J7.43
IO_B34_L13_MRCC_P19_N: J7.45
IO_B34_L14_SRCC_N20_P: J7.49
IO_B34_L14_SRCC_P20_N: J7.51
IO_B34_L15_T20_P: J7.78
IO_B34_L15_U20_N: J7.80
IO_B34_L16_V20_P: J7.74
IO_B34_L16_W20_N: J7.76
IO_B34_L17_Y18_P: J7.65 R141.2 | length 3086.3
  Top Layer w7.87: R141.2@2485.61,4965.58 v1(2485.61,5017.04) ; v1(4391.42,6881.89) v1@4391.42,6887.54 ; v1@4391.43,6887.56 J7.65@4391.42,7008.12
  Power Layer 10 w6.88: v1(2485.61,5017.04) 2485.61,5273.93 3653.21,6441.52 4081.16,6441.52 4375,6735.36 4375,6847.05 4392.28,6864.34 v1@4392.28,6885.17